# Altium PCB UCL-MB-802154RT-1.PcbDoc (part 2 of 3)
Units mm, origin at the board's own origin, x right, y up, seen from the top; angles counter-clockwise.
Board outline 84 x 112.5 mm, 4 copper layers (Top Layer, GND, VCC, Bottom Layer), stack 1.536 mm thick; 160 components, 166 nets, 807 pads, 398 vias.
Unrouted connection lines stored in the file: 2.
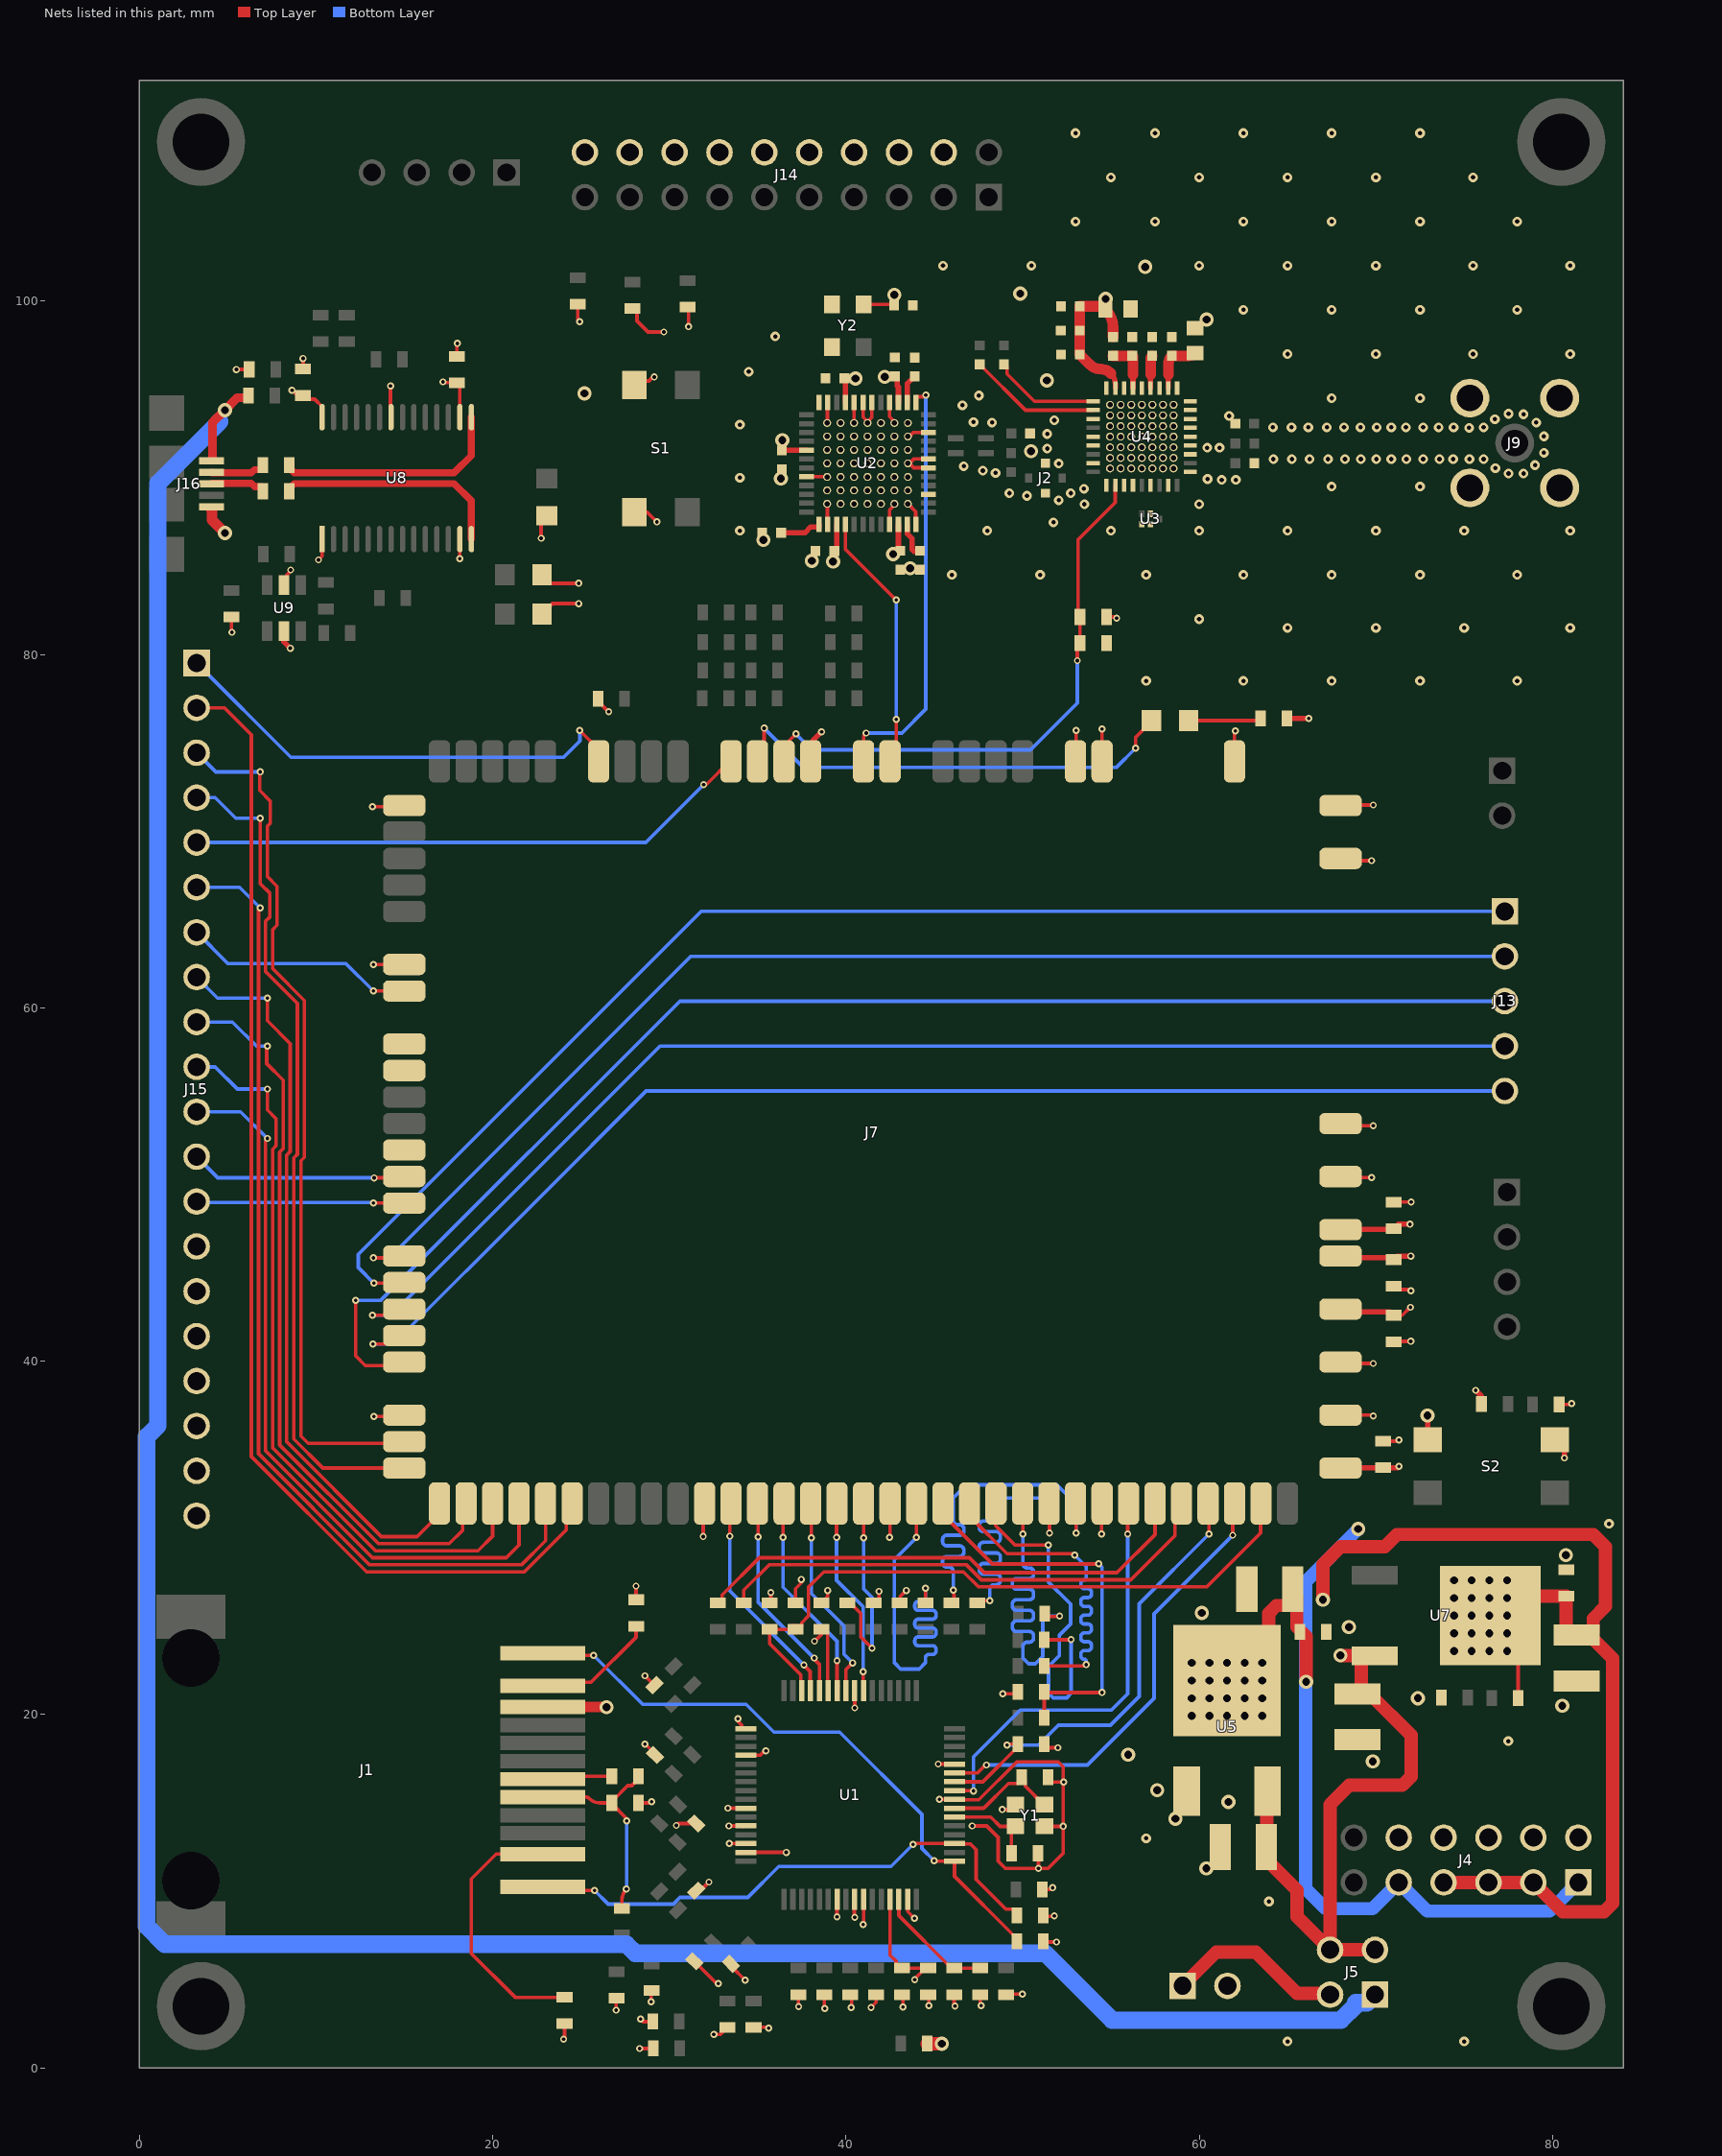
[diagram p4: the nets of this part, all layers, seen from the top]

## Part data
C1 C7 C9 C11 C12 C38 C41 C42 C43 C44 C45 C46 C47 C48: Supplier Part Number 1=1276-1006-1-ND, Supplier 1=Digi-Key
C2 C3 C4 C5: Supplier Part Number 1=478-1163-1-ND, Supplier 1=Digi-Key
C6: Supplier Part Number 1=445-5663-1-ND, Supplier 1=Digi-Key
C8 C10 C13: Supplier Part Number 1=490-7203-1-ND, Supplier 1=Digi-Key
C14 C15: Supplier Part Number 1=1292-1490-1-ND, Supplier 1=Digi-Key
C16: library part C-1.5nF-0402, Supplier Part Number 1=478-12618-1-ND, Supplier 1=Digi-Key
C17: Supplier Part Number 1=1276-1595-1-ND, Supplier 1=Digi-Key
C18: Supplier Part Number 1=490-7203-1-ND, Supplier Part Number 1b=490-3297-6-ND, Tolerance=10%, Voltage=6.3V, Fabricant=Murata, Fabricant_Ref=GRM188R60J475KE19D, Supplier 1=Digi-Key, Supplier 1b=DigiReel, Technologie=X5R
C19: Supplier Part Number 1=490-6189-1-ND, Supplier Part Number 1b=490-6189-6-ND, Tolerance=1%, Voltage=50V, Fabricant=Murata, Fabricant_Ref=GRM1555C1H102FA01D, Supplier 1=Digi-Key, Supplier 1b=DigiReel, Supplier 2=Mouser, Supplier Part Number 2=81-GRM1555C1H102FA1D, Technologie=NPO
C20: Supplier Part Number 1=445-1241-1-ND, Supplier Part Number 1b=445-1241-6-ND, Tolerance=5%, Voltage=50V, Fabricant=TDK, Fabricant_Ref=C1005C0G1H330J050BA, Supplier 1=Digi-Key, Supplier 1b=DigiReel, Supplier 2=Mouser, Supplier Part Number 2=810-C1005C0G1H330J, Technologie=NPO
C21: Supplier Part Number 1=490-11191-1-ND, Supplier Part Number 1b=490-3297-6-ND, Tolerance=10%, Voltage=6.3V, Fabricant=Murata, Fabricant_Ref=GRM188R60J475KE19D, Supplier 1=Digi-Key, Supplier 1b=DigiReel, Technologie=X5R
C22: Supplier Part Number 1=478-1080-1-ND, Supplier Part Number 1b=445-1241-6-ND, Tolerance=5%, Voltage=50V, Fabricant=TDK, Fabricant_Ref=C1005C0G1H330J050BA, Supplier 1=Digi-Key, Supplier 1b=DigiReel, Technologie=NPO
C23: Supplier Part Number 1=490-11240-1-ND, Supplier Part Number 1b=490-3297-6-ND, Tolerance=10%, Voltage=6.3V, Fabricant=Murata, Fabricant_Ref=GRM188R60J475KE19D, Supplier 1=Digi-Key, Supplier 1b=DigiReel, Technologie=X5R
C24 C25 C26 C27 C31 C32 C33 C34 C35: Supplier Part Number 1=1276-6720-1-ND, Tolerance=10%, Voltage=25V, Fabricant=Murata, Fabricant_Ref=GRM155R71H103KA88J, Supplier 1=Digi-Key, Supplier 2=Mouser, Supplier Part Number 2=710-885012205037, Technologie=X7R
C28: Supplier Part Number 1=490-8589-1-ND, Tolerance=1%, Voltage=50V, Fabricant=Murata, Fabricant_Ref=GRM1555C1H220FA01D, Supplier 1=Digi-Key, Supplier 2=Mouser, Supplier Part Number 2=81-GRM1555C1H220FA1D, Technologie=NPO
C36 C39: Supplier Part Number 1=399-8225-1-ND, Supplier 1=Digi-Key
C37 C40: Supplier Part Number 1=1276-3372-1-ND, Supplier 1=Digi-Key
D1 D2 D3 D4: Supplier Part Number 1=732-4987-1-ND, Supplier 1=Digi-Key
J1: Supplier Part Number 1=535-12443-1-ND, Supplier 1=Digi-Key
J2: library part MM8030-2610RJ3, "SWG Connecteur Socle, prise femelle 50Ohms", Supplier Part Number 1=490-5907-1-ND, RoHS=No, Supplier 1=Digi-Key
J4: Supplier Part Number 1=2057-PH2-12-UA-ND, Supplier 1=Digi-Key
J5: Supplier Part Number 1=2057-PH2-04-UA-ND, Supplier 1=Digi-Key
J6: Supplier Part Number 1=A19423-ND, Supplier 1=Digi-Key
J8: Supplier Part Number 1=SAM1222-02-ND, Supplier 1=Digi-Key
J9: library part SMA_733910080, Supplier Part Number 1=WM4088-ND, Supplier 1=Digi-Key
J10 J12: Supplier Part Number 1=SAM1213-04-ND, Supplier 1=Digi-Key
J13: Supplier Part Number 1=SAM1213-05-ND, Supplier 1=Digi-Key
J14: library part JTAG_Header, Supplier Part Number 1=2057-PH2-20-UA-ND, Supplier 1=Digi-Key
J15: library part GPIO_Header, Supplier Part Number 1=S7018-ND, Supplier 1=Digi-Key
J16: Supplier Part Number 1=2073-USB3085-30-ACT-ND, Supplier 1=Digi-Key
L1: library part PE-0603PFB121ST, Supplier Part Number 1=553-2387-1-ND, Supplier 1=Digi-Key
L2: Supplier Part Number 1=490-6561-1-ND, Supplier Part Number 1b=490-6561-6-ND, Tolerance=0.3nH, Fabricant=Murata, Fabricant_Ref=LQG15HN3N3S02D, I_DC=300mA, Supplier 1=Digi-Key, Supplier 1b=DigiReel, Supplier 2=Mouser, Supplier Part Number 2=81-LQG15HN3N0S02D
L3: Supplier Part Number 1=490-1108-1-ND, Supplier Part Number 1b=490-1108-6-ND, Tolerance=5%, Fabricant=Murata, Fabricant_Ref=LQG18HN6N8J00D, I_DC=300mA, Supplier 1=Digi-Key, Supplier 1b=DigiReel, Supplier 2=Mouser, Supplier Part Number 2=81-LQG18HN6N8J00D
L5: "Chip Common Mode Choke Coil, 90 Ohm, 330 mA, -40 to 85 degC, 4-Pin SMD, RoHS, Tape and Reel", Case Size/Dimension=0805, DC Resistance-Max=0.41O, Manufacturer=Murata, Rated Current=280mA, Rated Voltage=50V, Supplier Part Number 1=490-5137-1-ND, Datasheet URL=http://www.murata.com/zh-cn/products/productdata/8796757917726/EFLC0003.pdf?1441769419000, Datasheet Version=Aug-14, Impedance=90O, Manufacturer URL=http://www.murata.com/, Supplier 1=Digi-Key
M1 M2 M7 M8: library part Screw_M3x5, Supplier Part Number 1=732-13703-ND, Supplier 1=Digi-Key
R1 R6 R8 R9 R10 R30 R31 R32 R34 R35 R36 R43 R49 R51 R53 R54 R55 R56 R58 R59 R60 R61 R62 R63 R64 R65 R78 R80: Supplier Part Number 1=RMCF0603ZT0R00CT-ND, Supplier 1=Digi-Key
R2 R3 R4 R5: Supplier Part Number 1=RMCF0603FT49R9CT-ND, Supplier 1=Digi-Key
R7 R11 R13 R23 R24 R26 R48 R52 R66 R67 R68 R69 R77: Supplier Part Number 1=311-10.0KHRCT-ND, Supplier 1=Digi-Key
R12 R14 R15 R16 R17 R18 R19 R25 R29 R33: Supplier Part Number 1=311-100HRCT-ND, Supplier 1=Digi-Key
R20 R27: Supplier Part Number 1=311-4.70KHRCT-ND, Supplier 1=Digi-Key
R21 R22 R44 R70 R72 R74: Supplier Part Number 1=311-330HRCT-ND, Supplier 1=Digi-Key
R28 R47: Supplier Part Number 1=311-1.50KHRCT-ND, Supplier 1=Digi-Key
R37: Supplier Part Number 1=RMCF0603FT12K4CT-ND, Supplier 1=Digi-Key
R38 R39 R40 R41 R42: Supplier Part Number 1=P0.0JCT-ND, Supplier Part Number 1b=P0.0JDKR-ND, Tolerance=1%, Fabricant=Panasonic, Fabricant_Ref=ERJ-2GE0R00X, Puissance="100 mW", Supplier 1=Digi-Key, Supplier 1b=DigiReel, Supplier 2=Mouser, Supplier Part Number 2=667-ERJ-2GE0R00X, Tension=50V
R46: Supplier Part Number 1=408-1735-1-ND, Supplier 1=Digi-Key
R71 R73: Supplier Part Number 1=RMCF0603FT24R0CT-ND, Supplier 1=Digi-Key
R75 R79: Supplier Part Number 1=RMCF0603FT20K0CT-ND, Supplier 1=Digi-Key
S1 S2: Supplier Part Number 1=EG5353CT-ND, Supplier 1=Digi-Key
U1: Supplier Part Number 1=LAN8187-JT-ND, Supplier 1=Digi-Key
U2: "IC RF TXRX 802.15.4/ISM 48-VFQFN", Supplier Part Number 1=AT86RF215M-ZU-ND, Supplier 1=Digi-Key
U3: Supplier Part Number 1=871-B39871B4377P810, Supplier 1=Mouser
U4: Supplier Part Number 1=863-SKY66122-11CT-ND, Supplier 1=Digi-Key
U5: Supplier Part Number 1=AZ1117IH-3.3TRG1DICT-ND, Supplier 1=Digi-Key
U7: Supplier Part Number 1=AZ2185D-ADJTRG1DICT-ND, Supplier 1=Digi-Key
U8: Supplier Part Number 1=428-3158-ND, Supplier 1=Digi-Key
U9: Supplier Part Number 1=296-SN74LVC2G17DBVRDKR-ND, Supplier 1=Digi-Key
Y1: library part 830107871909, Supplier Part Number 1=1923-830107871909CT-ND, Supplier 1=Digi-Key
Y2: "XTAL OSC TCXO 26.0000MHZ SNWV", Case/Package=SMD/SMT, Frequency=26MHz, Frequency Stability=1ppm, Max Operating Temperature=85°C, Max Supply Current=2mA, Min Operating Temperature=-40°C, Supplier Part Number 1=887-1620-1-ND, ComponentLink1Description=http://www.taitien.com/wp-content/uploads/2015/12/XO-0076_TX.pdf?src-supplier=Digi-Key, ComponentLink1URL=http://www.taitien.com/wp-content/uploads/2015/12/XO-0076_TX.pdf?src-supplier=Digi-Key, Height=0.039inch, Length=0.126inch, Mount="Surface Mount", Packaging="Tape and Reel", RoHS=Yes, Supplier 1=Digi-Key, Width=0.098inch

## Via types
v1: diameter 0.4, hole 0.2, Top Layer to Bottom Layer, 225 vias
v2: diameter 0.55, hole 0.25, Top Layer to Bottom Layer, tented both sides, 133 vias
v3: diameter 0.8, hole 0.45, Top Layer to Bottom Layer, 23 vias
v4: diameter 0.8, hole 0.45, Top Layer to Bottom Layer, tented both sides, 17 vias

## Nets (pads, with @x,y where several pads share a name; then routed paths per layer and width w, separated by ;. In a path a pad name is that pad's centre, name@x,y a point inside that pad or via, vN(x,y) a via of type N, cw(c..) or ccw(c..) an arc to the next point about the centre after c; other vN are vias at no path point)
3V3: C37.2 C38.2 C45.1 C46.1 D1.2 D2.2 D3.2 J4.1 J4.9 J15.14 U5.2 U8.16 U8.28 U9.5 | length 64.8
  Top Layer w0.2: U9.5@8.2,83.925 8.35,84.075 8.35,84.5 8.575,84.725 v1(8.575,84.779) ; v1(8.65,94.95) 8.95,94.65 C46.1@9.275,94.65 9.475,94.45 9.925,94.45 10.35,94.025 U8.28@10.35,93.425 ; v1(17.2,95.425) 17.25,95.375 C45.1@17.975,95.375 18.15,95.2 U8.16@18.15,93.425 ; v1(22.75,86.575) 22.75,87.525 D2.2@23.075,87.85 ; D3.2@22.8,82.275 23.4,82.875 v1(24.875,82.875) ; D1.2@22.8,84.5 22.8,84.475 23.25,84.025 v1(24.875,84.025)
  Top Layer w0.75: U5.2@61.575,21.925 U5.2@62.575,22.925 63.936,24.286 63.936,25.736 64.375,26.175 65.075,26.175 65.3,26.4 C37.2@65.3,26.9 ; v3(66.05,21.85) 66.05,24.43 65.525,24.955 65.525,26.675 C37.2@65.3,26.9 ; C37.2@65.3,26.9 65.2,27 C37.2@65.3,27.1 C37.2@65.3,26.9
  Bottom Layer w0.2: v1(8.575,84.779) 8.6,84.755 v1@8.6,84.75 ; v1(22.75,86.575) v1@22.775,86.55
  Bottom Layer w0.75: v3(69,30.5) 66.025,27.525 66.025,10.15 67.164,9.011 69.806,9.011 J4.9@71.295,10.5 71.297,10.5 72.922,8.875 79.83,8.875 J4.1@81.455,10.5
3V3_AT86: C18.2 C19.2 C20.2 C22.2 C26.2 C27.2 C35.1 J4.2 L2.2 L3.2 U2.15 U2.46 U4.35 Y2.4 | length 14.1
  Top Layer w0.2: Y2.4@41.011,99.802 42.673,99.802 C35.1@42.725,99.75
  Top Layer w0.3: v4@42.677,85.461 v4(42.677,85.679) ; C27.2@42.774,95.742 42.903,95.613 42.903,95.204 42.974,95.134 U2.15@42.974,94.259 ; C26.2@42.974,85.758 U2.46@42.974,87.359 ; 55,95.9 cw(c54.396,95.296) 55.25,95.296 U4.35@55.25,95.075
  Top Layer w0.6: 55,95.9 54.98,95.92 ccw(c54.425,95.365) 54.425,96.15 cw(c54.425,97.015) 53.814,96.403 C22.2@53.242,96.975 53.242,98.317 C19.2@53.233,98.325 53.233,99.692 C20.2@53.242,99.7 54.327,99.7 cw(c54.327,99.188) C18.2@54.689,99.55 cw(c53.636,98.497) 55.125,98.497 L2.2@55.125,97.967
  other v4: 42.199,95.709 60.425,98.95 54.7,100.125 42.75,100.35
3V3_ETH: C7.2 C8.2 J4.10 L1.2 U1.13 | length 7.6
  Top Layer w0.2: U1.13@42.5,9.55 42.5,6.386 42.836,6.05 42.836,5.9 43.036,5.7 43.186,5.7 43.236,5.65 C8.2@44.656,5.65 44.506,5.65 43.9,5.044 v1(43.9,5)
  Top Layer w0.75: L1.2@44.6,1.375 v3(45.425,1.375)
+2V: C40.2 C41.2 J4.3 J4.5 J4.7 J15.15 J15.16 R46.2 U7.2 | length 64
  Top Layer w0.2: R46.2@78.05,20.925 U7.2@78.05,24.025
  Top Layer w0.75: v3(67,26.5) 67,28.5 68,29.5 70.5,29.5 71.189,30.189 82.311,30.189 83,29.5 83,26.125 82.3,25.425 82.3,24.725 C40.2@82.075,24.5 ; J4.7@73.835,10.5 J4.5@76.375,10.5 J4.3@78.915,10.5 80.579,8.836 82.911,8.836 83.4,9.325 83.4,23.175 C40.2@82.075,24.5 ; U7.2@78.05,24.025 U7.2@76.475,25.6 77.575,26.7 C41.2@80.775,26.7 80.775,24.725 81,24.5 C40.2@81.375,24.5 C40.2@82.075,24.5
+2V_AT86: C32.2 C33.2 C34.2 J4.4 U2.21 U2.29 U2.39 | length 4.3
  Top Layer w0.3: C33.2@36.374,91.542 36.391,91.559 U2.29@37.774,91.559 ; C32.2@39.474,85.867 U2.39@39.474,87.359 ; C34.2@39.916,95.634 39.974,95.576 U2.21@39.974,94.259
  other v4: 39.275,85.25 36.405,92.12 40.549,95.609
+2V_ETH: C11.2 J4.8 R6.2 R11.2 R26.2 R28.1 R30.2 R31.2 R32.2 U1.43 U1.63 | length 14.6
  Top Layer w0.2: R6.2@31.414,6.043 32.682,4.775 v1(32.775,4.775) ; v1(32.525,1.9) 32.905,1.9 R30.2@33.305,2.3 ; U1.63@34.35,12.2 v1(36.625,12.2) ; R26.2@37.153,26.325 37.153,27.128 37.475,27.45 v1(37.475,27.65) ; v1(38.225,24.15) 38.623,24.548 C11.2@38.623,24.825 38.773,24.825 38.973,24.625 38.973,21.427 39,21.4 U1.43@39,21.35 ; R31.2@38.775,4.15 38.775,3.4 v1(38.8,3.375) ; v1(41.425,3.425) 41.716,3.716 R32.2@41.716,4.15 ; R11.2@49.067,4.15 49.067,4.108 49.1,4.075 49.2,4.175 v1(50,4.175) ; R28.1@51.225,18.32 51.42,18.125 v1(52,18.125)
+2V_MCU: C42.2 C43.2 C47.2 C48.2 J4.6 J7.49 J7.50 J7.51 J7.54 R44.2 R48.2 R49.2 R52.2 | length 19.6
  Top Layer w0.2: R48.2@25.975,77.5 25.975,77.35 v1(26.575,76.75) ; R49.2@54.75,82.12 55.255,82.12 v1(55.325,82.05) ; J7.51@68,42.95 J7.51@68.15,42.8 ; C43.2@70.8,42.8 C43.2@71,42.6 71.5,42.6 v1(71.95,43.05)
  Top Layer w0.3: R44.2@64.975,76.375 v1(66.2,76.375) ; J7.54@68,33.95 68.013,33.963 70.387,33.963 C48.2@70.4,33.975 71.225,33.975 v1(71.3,34.05) ; J7.50@68,45.95 68.1,45.85 70.9,45.85 C42.2@71,45.75 71.2,45.95 v1(71.975,45.95) ; J7.49@68,47.45 70.95,47.45 C47.2@71,47.5 71.125,47.5 71.275,47.65 71.275,47.75 v1(71.925,47.75) ; J7.51@68.15,42.8 C43.2@70.8,42.8 ; v1(75.65,38.35) 75.975,38.025 R52.2@75.975,37.575
+5V: C36.2 C39.2 J5.2 J5.4 J15.17 U5.3 U7.3 | length 37.5
  Top Layer w0.75: U5.3@63.861,15.675 63.83,15.645 63.83,12.531 C36.2@63.8,12.5 63.777,12.523 63.777,11.823 65.53,10.07 65.53,8.57 J5.4@67.41,6.69 ; v3(68,23.35) 68.01,23.34 69.601,23.34 U7.3@69.628,23.314 ; U7.3@69.925,23.314 U7.3@69.628,23.314 ; J5.2@69.95,6.69 J5.4@67.41,6.69 ; J5.4@67.41,6.69 67.41,14.91 68.5,16 71.5,16 72,16.5 72,18.825 69.65,21.175 C39.2@68.95,21.175 69.175,21.4 69.175,23.159 69.33,23.314 U7.3@69.628,23.314
+5V_EXT: J5.3 J6.1 | length 11
  Top Layer w0.2: J6.1@59.06,4.65 cw(c59.507,4.65) 59.191,4.966 59.216,4.966 59.55,5.3 J6.1@59.55,5.325
  Top Layer w0.75: J6.1@59.06,4.65 60.96,6.55 63.2,6.55 65.535,4.215 67.345,4.215 J5.3@67.41,4.15
+5V_USB: J5.1 J16.1 R69.1 | length 164.7
  Top Layer w0.5: 4.15,91.175 4.15,93.125 v3(4.85,93.825) 5.55,94.525 6.125,94.525 6.175,94.575 R69.1@6.175,94.66
  Bottom Layer w0.5: 4.55,93.175 4.55,93.444 4.85,93.744 v3(4.85,93.825)
  Bottom Layer w1: 4.55,93.175 1.05,89.675 1.05,36.35 0.425,35.725 0.425,8.025 1.45,7 27.577,7 28.077,6.5 51.277,6.5 55.077,2.7 68.011,2.7 68.86,3.549 68.86,3.7 69.5,3.7 J5.1@69.95,4.15
AT86_\R\S\T\: J7.36 U2.13 | length 24.3
  Top Layer w0.2: J7.36@41,73.95 41,75.4 v1(41.15,75.55) ; U2.13@43.974,94.259 43.974,94.534 44.024,94.584 44.38,94.584 44.471,94.675 v1(44.525,94.675)
  Bottom Layer w0.2: v1(41.15,75.55) 43.175,75.55 44.525,76.9 v1(44.525,94.675)
AT86_CSD: J7.34 R49.1 R56.2 U4.11 | length 32.5
  Top Layer w0.2: J7.34@36.5,73.95 36.5,74.125 36.775,74.4 36.775,75.1 v1(37.175,75.5) ; v1(53.1,79.65) 53.1,80.5 R56.2@53.25,80.65 R49.1@53.25,82.12 53.15,82.22 53.15,86.5 55.25,88.6 U4.11@55.25,89.575
  Bottom Layer w0.2: v1(37.175,75.5) 38.075,74.6 50.45,74.6 53.1,77.25 v1(53.1,79.65)
AT86_IRQ: J7.37 U2.40 | length 14.7
  Top Layer w0.2: U2.40@39.974,87.359 39.974,85.951 v1(42.85,83.075) ; J7.37@42.5,73.95 42.85,74.3 v1(42.85,76.325)
  Bottom Layer w0.2: v1(42.85,76.325) v1(42.85,83.075)
CPS: R39.2 U4.1 | length 6.1
  Top Layer w0.2: R39.2@48.95,96.417 49.129,96.237 49.129,95.871 50.675,94.325 U4.1@54,94.325
CTX: R38.2 U4.2 | length 7.5
  Top Layer w0.2: R38.2@47.575,96.417 50.167,93.825 U4.2@54,93.825
DA_N: J16.2 R71.1 | length 3.2
  Top Layer w0.4: J16.2@4.1,90.31 4.1,90.285 6.35,90.285 6.52,90.455 6.9,90.455 7,90.555 R71.1@7,90.705
DA_P: J16.3 R73.1 | length 3.2
  Top Layer w0.4: J16.3@4.1,89.66 4.1,89.685 6.35,89.685 6.55,89.485 6.9,89.485 7,89.385 R73.1@7,89.235
DB_N: R71.2 U8.15 | length 13.2
  Top Layer w0.4: R71.2@8.5,90.705 8.5,90.555 8.785,90.27 17.825,90.27 18.8,91.245 U8.15@18.8,93.425
DB_P: R73.2 U8.14 | length 13.1
  Top Layer w0.4: R73.2@8.5,89.235 8.5,89.385 8.785,89.67 17.825,89.67 18.8,88.695 U8.14@18.8,86.525
ETH_MDC: J7.57 U1.27 | length 26
  Top Layer w0.2: U1.27@46.15,16.7 47.45,16.7 47.9,17.15 v1(47.95,17.15) ; v1(61.9,30.15) 61.9,31.85 J7.57@62,31.95
  Bottom Layer w0.2: v1(47.95,17.15) 53.675,17.15 57.45,20.925 57.45,25.7 v1(61.9,30.15)
ETH_MDIO: J7.58 R28.2 U1.26 | length 26.6
  Top Layer w0.2: U1.26@46.15,16.2 47.755,16.2 49.725,18.17 R28.2@49.725,18.32 v1@49.08,18.32 ; v1(49.125,18.275) v1@49.08,18.32 ; J7.58@60.5,31.95 60.55,31.9 v1(60.55,30.225) ; v1@49.08,18.32 49.05,18.35 49.025,18.35 49.055,18.32 v1@49.08,18.32
  Bottom Layer w0.2: v1(49.125,18.275) 50.9,18.275 52.025,19.4 54.975,19.4 56.6,21.025 56.6,26.275 v1(60.55,30.225)
"ETH_MII_ RX_ER": J7.69 R19.1 | length 22.6
  Top Layer w0.2: v1(44,30.025) J7.69@44,31.95 ; v1(44.5,27.15) 44.5,26.329 R19.1@44.504,26.325
  Bottom Layer w0.2: v1(44,30.025) 42.75,28.775 42.75,22.925 43.1,22.575 44.15,22.575 44.5,22.925 44.5,23.025 44.5,23.2 cw(c44.7,23.2) 44.7,23.4 44.9,23.4 ccw(c44.9,23.6) 45.1,23.6 45.1,23.7 ccw(c44.9,23.7) 44.9,23.9 44.5,23.9 44.1,23.9 cw(c44.1,24.1) 43.9,24.1 43.9,24.2 cw(c44.1,24.2) 44.1,24.4 44.5,24.4 44.9,24.4 ccw(c44.9,24.6) 45.1,24.6 45.1,24.7 ccw(c44.9,24.7) 44.9,24.9 44.5,24.9 44.1,24.9 cw(c44.1,25.1) 43.9,25.1 43.9,25.2 cw(c44.1,25.2) 44.1,25.4 44.5,25.4 44.9,25.4 ccw(c44.9,25.6) 45.1,25.6 45.1,25.7 ccw(c44.9,25.7) 44.9,25.9 44.5,25.9 44.1,25.9 cw(c44.1,26.1) 43.9,26.1 43.9,26.2 cw(c44.1,26.2) 44.1,26.4 44.3,26.4 ccw(c44.3,26.6) 44.5,26.6 44.5,26.9 v1(44.5,27.15)